# KiCad board tinyv pcb.kicad_pcb
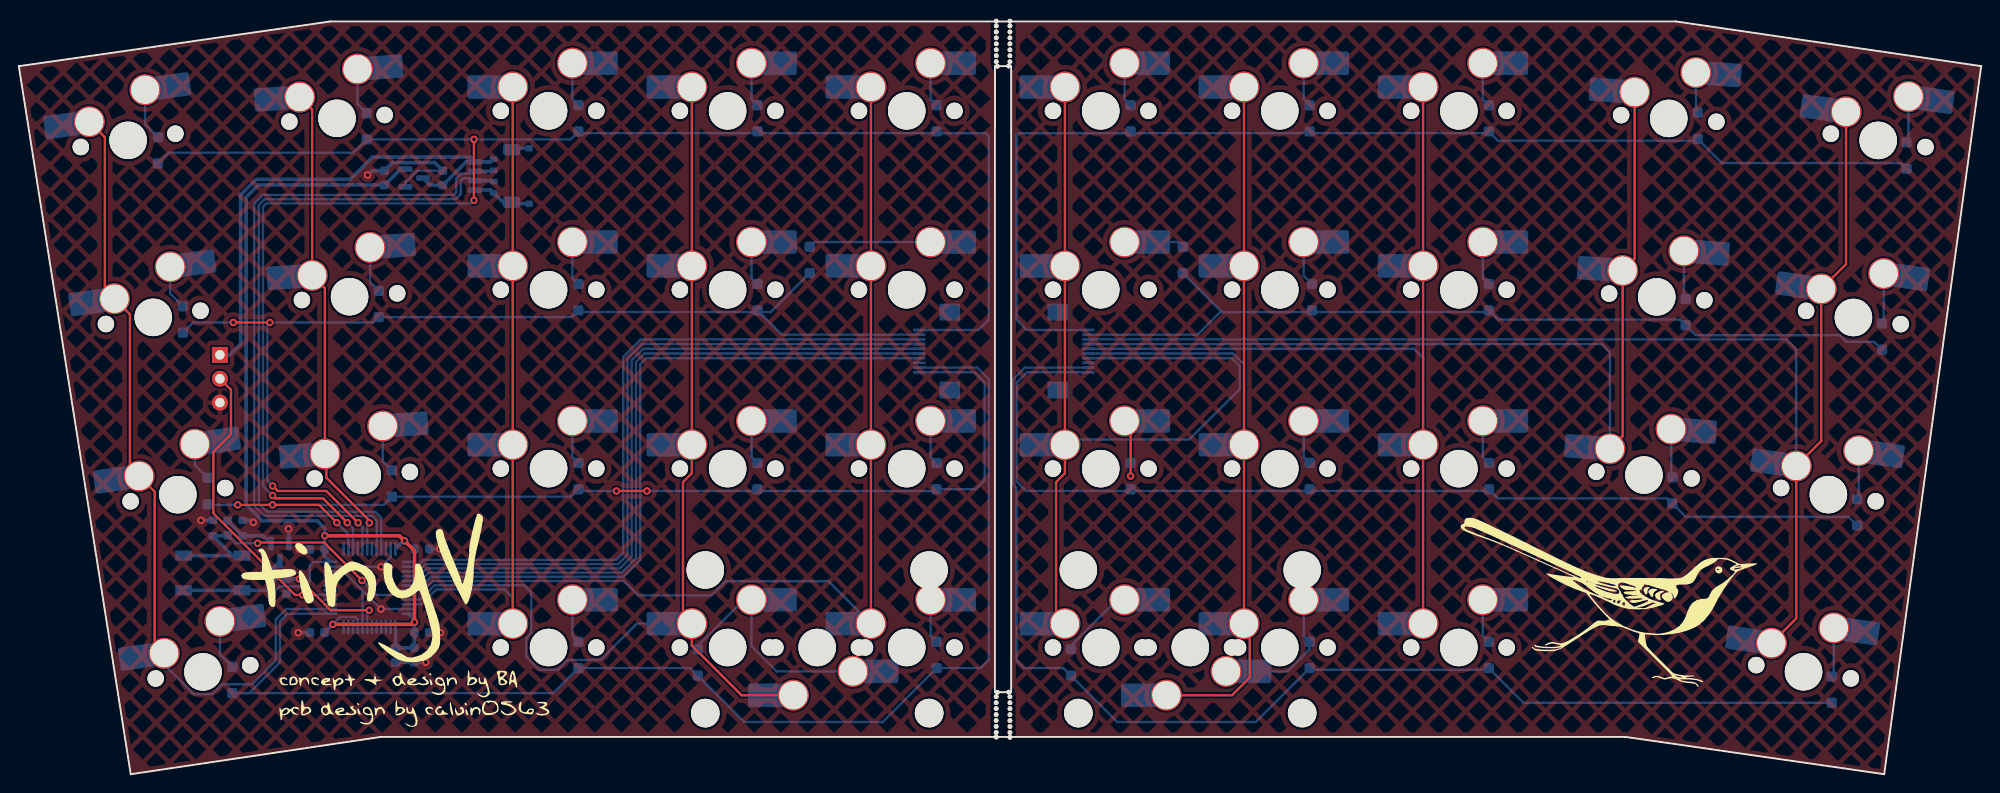
[diagram p0: board, top side]
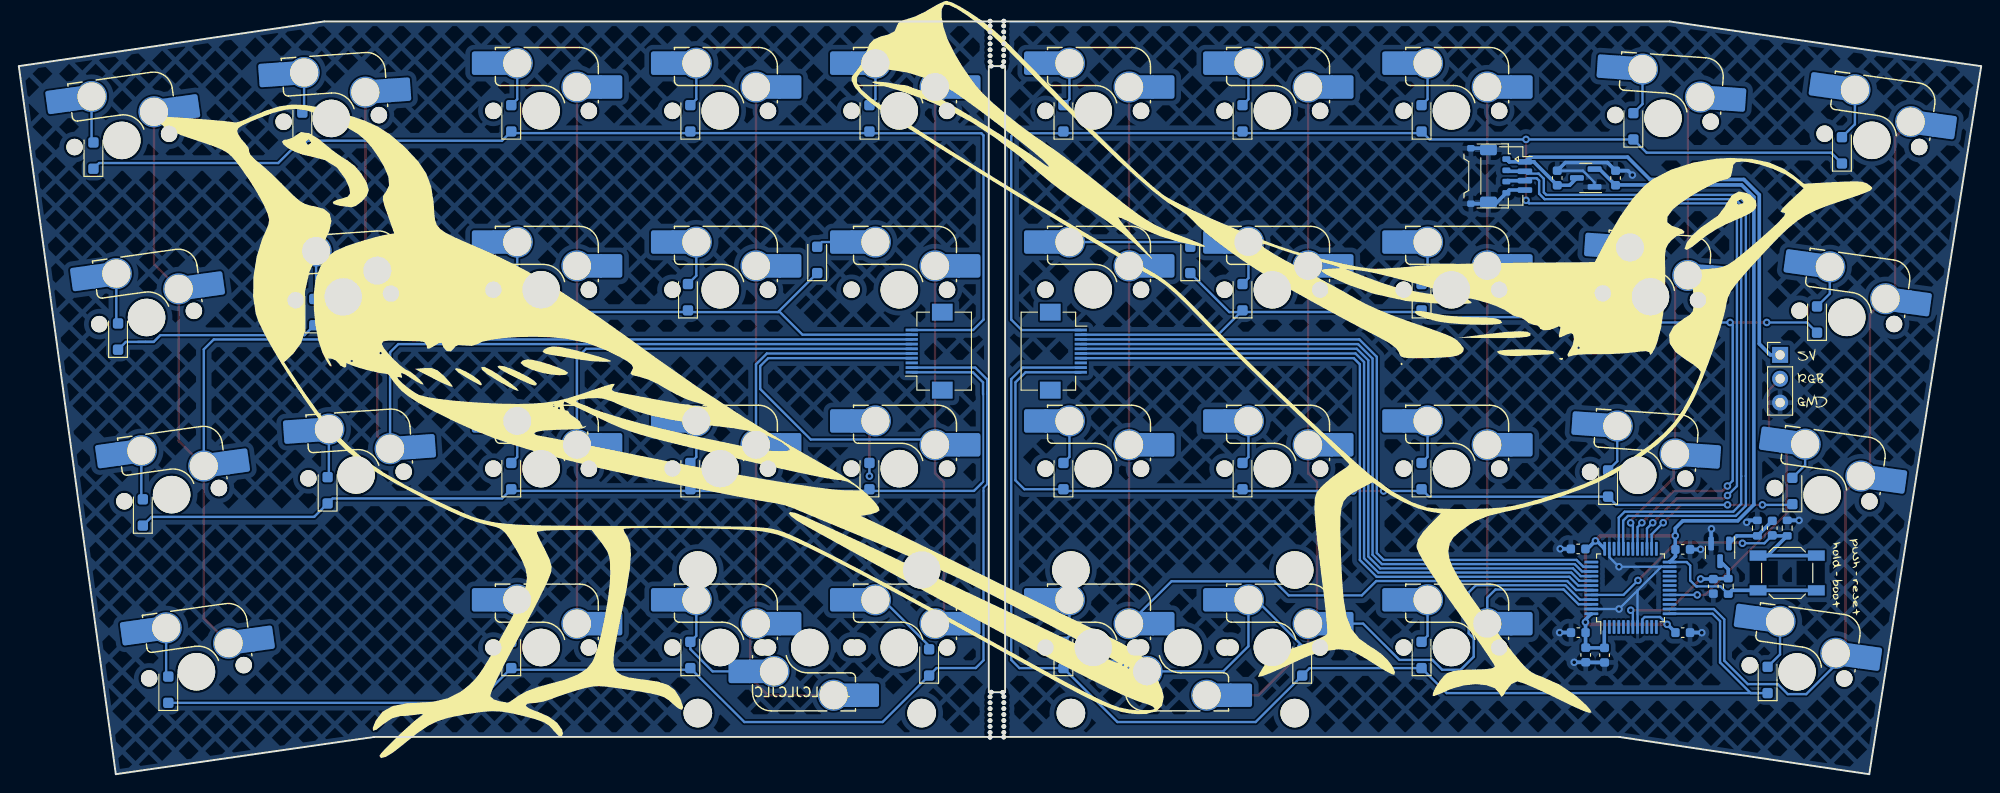
[diagram p1: board, bottom side, seen from below]

Outline 208.76 x 80.17 mm; copper layers: Top, Bottom. Coordinates in mm from the lower left corner of the outline.
Outline path: 0,75.41 11.91,0 38.48,3.97 103.84,3.97 105.57,3.97 170.93,3.97 198.44,0 208.76,75.41 176.26,80.17 103.84,80.17 33.15,80.17 0,75.41 ; 103.84,8.73 105.57,8.73 105.57,75.41 103.84,75.41 103.84,8.73
Stack: Top 0.035mm / dielectric 1.51mm FR4 er 4.5 / Bottom 0.035mm

## Placement (name value [footprint] x y rotation side)
C1  1uF  [C_0603_1608Metric]  45.1 63.5 90 bottom
C2  1uF  [C_0603_1608Metric]  38.89 63.5 90 bottom
C3  100nF  [C_0603_1608Metric]  42.88 23.99 0 bottom
C4  100nF  [C_0603_1608Metric]  42.86 15.08 0 bottom
C5  100nF  [C_0603_1608Metric]  31.75 15.08 180 bottom
C7  4.7uF  [C_0603_1608Metric]  22.22 26.21 90 bottom
C8  1uF  [C_0603_1608Metric]  28.5 20.01 90 bottom
C9  100nF  [C_0603_1608Metric]  31.75 23.94 180 bottom
C10  100nF  [C_0603_1608Metric]  40.07 12.68 270 bottom
C11  10uF  [C_0603_1608Metric]  42.07 12.7 270 bottom
D1  D_Small  [D_SOD-123F]  14.82 66.44 90 bottom
D2  D_Small  [D_SOD-123F]  37 69 90 bottom
D3  D_Small  [D_SOD-123F]  59.53 69.85 90 bottom
D4  D_Small  [D_SOD-123F]  78.58 69.85 90 bottom
D5  D_Small  [D_SOD-123F]  97.63 69.85 90 bottom
D6  D_Small  [D_SOD-123F]  118.27 69.85 90 bottom
D7  D_Small  [D_SOD-123F]  137.32 69.85 90 bottom
D8  D_Small  [D_SOD-123F]  156.37 69.85 90 bottom
D9  D_Small  [D_SOD-123F]  178.59 69.06 90 bottom
D10  D_Small  [D_SOD-123F]  200.82 65.88 90 bottom
D11  D_Small  [D_SOD-123F]  17.46 48.42 90 bottom
D12  D_Small  [D_SOD-123F]  38.29 50.08 90 bottom
D13  D_Small  [D_SOD-123F]  59.53 50.8 90 bottom
D14  D_Small  [D_SOD-123F]  78.58 50.8 90 bottom
D15  D_Small  [D_SOD-123F]  84.14 54.77 90 bottom
D16  D_Small  [D_SOD-123F]  123.83 54.77 90 bottom
D17  D_Small  [D_SOD-123F]  137.57 50.8 90 bottom
D18  D_Small  [D_SOD-123F]  156.37 50.8 90 bottom
D19  D_Small  [D_SOD-123F]  177.32 49.21 90 bottom
D20  D_Small  [D_SOD-123F]  198.2 46.61 90 bottom
D21  D_Small  [D_SOD-123F]  20.09 30.16 90 bottom
D22  D_Small  [D_SOD-123F]  39.69 30.96 90 bottom
D23  D_Small  [D_SOD-123F]  59.53 31.75 90 bottom
D24  D_Small  [D_SOD-123F]  78.58 31.75 90 bottom
D25  D_Small  [D_SOD-123F]  97.63 31.75 90 bottom
D26  D_Small  [D_SOD-123F]  118.27 31.75 90 bottom
D27  D_Small  [D_SOD-123F]  137.32 31.75 90 bottom
D28  D_Small  [D_SOD-123F]  156.37 31.75 90 bottom
D29  D_Small  [D_SOD-123F]  175.9 30.24 90 bottom
D30  D_Small  [D_SOD-123F]  195.56 27.87 90 bottom
D31  D_Small  [D_SOD-123F]  22.72 10.04 90 bottom
D33  D_Small  [D_SOD-123F]  59.53 12.7 90 bottom
D34  D_Small  [D_SOD-123F]  72.23 11.91 90 bottom
D35  D_Small  [D_SOD-123F]  97.63 12.7 90 bottom
D36  D_Small  [D_SOD-123F]  111.92 11.91 90 bottom
D37  D_Small  [D_SOD-123F]  137.32 12.7 90 bottom
D38  D_Small  [D_SOD-123F]  156.37 12.7 90 bottom
D40  D_Small  [D_SOD-123F]  192.85 9 90 bottom
G***  -  [LOGO]  35.33 20.23 0 top
G***#2  -  [LOGO]  40.12 8.37 0 top
G***#3  -  [LOGO]  169.86 18.26 0 top
G***#4  -  [LOGO]  68.08 41.55 180 bottom
G***#5  -  [LOGO]  137.47 36.89 180 bottom
G***#6  -  [LOGO]  17.98 42.11 180 bottom
G***#7  -  [LOGO]  14.29 21.43 270 bottom
J1  JST SH  [JST_SH_SM04B-SRSS-TB_1x04-1MP_P1.00mm_Horizontal]  50.54 63.71 270 bottom
J2  Pico EZmate  [Molex_Pico-EZmate_78171-0004_1x04-1MP_P1.20mm_Vertical]  52.39 63.71 270 bottom
J3  Conn_01x03_Socket  [PinHeader_1x03_P2.54mm_Vertical]  21.39 44.65 180 bottom
J4  Conn_01x10_Socket  [Hirose_FH12-10S-0.5SH_1x10-1MP_P0.50mm_Horizontal]  97.63 45.06 270 bottom
J7  Conn_01x10_Socket  [Hirose_FH12-10S-0.5SH_1x10-1MP_P0.50mm_Horizontal]  111.92 45.06 90 bottom
MX1  MX_SW_HS  [SW_MX_HS_1u]  11.63 67.51 188 bottom
MX2  MX_SW_HS  [SW_MX_HS_1u]  33.85 69.85 184 bottom
MX3  MX_SW_HS  [SW_MX_HS_1u]  56.36 70.64 180 bottom
MX4  MX_SW_HS  [SW_MX_HS_1u]  75.41 70.64 180 bottom
MX5  MX_SW_HS  [SW_MX_HS_1u]  94.46 70.64 180 bottom
MX6  MX_SW_HS  [SW_MX_HS_1u]  115.09 70.64 180 bottom
MX7  MX_SW_HS  [SW_MX_HS_1u]  134.14 70.64 180 bottom
MX8  MX_SW_HS  [SW_MX_HS_1u]  153.19 70.64 180 bottom
MX9  MX_SW_HS  [SW_MX_HS_1u]  175.52 69.84 176 bottom
MX10  MX_SW_HS  [SW_MX_HS_1u]  197.8 67.5 172 bottom
MX11  MX_SW_HS  [SW_MX_HS_1u]  14.3 48.65 188 bottom
MX12  MX_SW_HS  [SW_MX_HS_1u]  35.19 50.86 184 bottom
MX13  MX_SW_HS  [SW_MX_HS_1u]  56.36 51.59 180 bottom
MX14  MX_SW_HS  [SW_MX_HS_1u]  75.41 51.59 180 bottom
MX15  MX_SW_HS  [SW_MX_HS_1u]  94.46 51.59 180 bottom
MX16  MX_SW_HS  [SW_MX_HS_1u]  115.09 51.59 180 bottom
MX17  MX_SW_HS  [SW_MX_HS_1u]  134.14 51.59 180 bottom
MX18  MX_SW_HS  [SW_MX_HS_1u]  153.19 51.59 180 bottom
MX19  MX_SW_HS  [SW_MX_HS_1u]  174.24 50.83 176 bottom
MX20  MX_SW_HS  [SW_MX_HS_1u]  195.16 48.64 172 bottom
MX21  MX_SW_HS  [SW_MX_HS_1u]  16.92 29.77 188 bottom
MX22  MX_SW_HS  [SW_MX_HS_1u]  36.54 31.84 184 bottom
MX23  MX_SW_HS  [SW_MX_HS_1u]  56.36 32.54 180 bottom
MX24  MX_SW_HS  [SW_MX_HS_1u]  75.41 32.54 180 bottom
MX25  MX_SW_HS  [SW_MX_HS_1u]  94.46 32.54 180 bottom
MX26  MX_SW_HS  [SW_MX_HS_1u]  115.09 32.54 180 bottom
MX27  MX_SW_HS  [SW_MX_HS_1u]  134.14 32.54 180 bottom
MX28  MX_SW_HS  [SW_MX_HS_1u]  153.19 32.54 180 bottom
MX29  MX_SW_HS  [SW_MX_HS_1u]  172.88 31.86 176 bottom
MX30  MX_SW_HS  [SW_MX_HS_1u]  192.5 29.78 172 bottom
MX31  MX_SW_HS  [SW_MX_HS_1u]  19.59 10.9 188 bottom
MX32  MX_SW_HS  [SW_MX_HS_1u]  84.93 13.49 0 bottom
MX33  MX_SW_HS  [SW_MX_HS_1u]  56.36 13.49 180 bottom
MX34  MX_SW_HS  [SW_MX_HS_1u]  75.41 13.49 180 bottom
MX35  MX_SW_HS  [SW_MX_HS_1u]  94.46 13.49 180 bottom
MX36  MX_SW_HS  [SW_MX_HS_1u]  115.09 13.49 180 bottom
MX37  MX_SW_HS  [SW_MX_HS_1u]  134.14 13.49 180 bottom
MX38  MX_SW_HS  [SW_MX_HS_1u]  153.19 13.49 180 bottom
MX39  MX_SW_HS  [SW_MX_HS_1u]  124.62 13.49 0 bottom
MX40  MX_SW_HS  [SW_MX_HS_1u]  189.86 10.91 172 bottom
Q1  2N7002  [SOT-23]  27.78 23.63 270 bottom
R1  10k  [R_0603_1608Metric]  26.91 20.01 90 bottom
R2  10k  [R_0603_1608Metric]  20.64 26.21 90 bottom
R3  100k  [R_0603_1608Metric]  23.81 26.21 90 bottom
REF**  mousebites 1mm  [mousebites_1mm]  105.68 77.78 180 top
REF**#2  mousebites 1mm  [mousebites_1mm]  103.72 6.35 0 top
REF**#3  mousebites 1mm  [mousebites_1mm#2]  103.73 77.79 0 top
REF**#4  mousebites 1mm  [mousebites_1mm#3]  105.69 6.35 180 top
S1  MX_stab  [STAB_MX_2u]  84.93 13.49 180 top
S2  MX_stab  [STAB_MX_2u]  124.62 13.49 180 top
SW1  RST  [SW_SPST_SKQG_WithoutStem]  20.64 21.43 180 bottom
U1  STM32F072C8Tx  [LQFP-48_7x7mm_P0.5mm]  37.31 19.84 90 bottom
U2  MCP1700x-330xxTT  [SOT-23]  42.07 63.5 0 bottom

## Library data of the parts
C1 C2 = -: Description: Unpolarized capacitor; LCSC Part Number: C28323
C3-C5 = -: Description: Unpolarized capacitor; LCSC Part Number: C14663
C7-C11 = -: Description: Unpolarized capacitor
D1-D31 D33-D38 D40 = -: Description: Diode, small symbol; Sim.Device: D; Sim.Pins: 1=K 2=A
J1 J2 = -: Description: Generic connectable mounting pin connector, single row, 01x04, script generated (kicad-library-utils/schlib/autogen/connector/)
J3 = -: Description: Generic connector, single row, 01x03, script generated
J4 J7 = -: Description: Generic connector, single row, 01x10, script generated
MX1-MX40 = -: Description: Push button switch, normally open, two pins, 45° tilted
Q1 = -: Description: 0.115A Id, 60V Vds, N-Channel MOSFET, SOT-23
R1-R3 = -: Description: Resistor, small symbol
S1 S2 = -: Description: Cherry MX-style stabilizer
SW1 = -: Description: Push button switch, generic, two pins
U1 = -: Description: ARM Cortex-M0 MCU, 64KB flash, 16KB RAM, 48MHz, 2-3.6V, 37 GPIO, LQFP-48; LCSC Part Number: C80488
U2 = -: Description: 250mA Low Quiscent Current LDO, 3.3V output, SOT-23; LCSC Part Number: C39051

## Footprints (pads in the part's own frame, mm; a bottom-side part is the same pattern mirrored in y, then rotated)
C_0603_1608Metric
  rrect 0.9x0.95 smd: 1(-0.775,0) 2(0.775,0)
D_SOD-123F
  rrect 1.1x1.1 smd: 1(-1.4,0) 2(1.4,0)
Hirose_FH12-10S-0.5SH_1x10-1MP_P0.50mm_Horizontal
  rect 0.3x1.3 smd: 1(-2.25,1.85) 2(-1.75,1.85) 3(-1.25,1.85) 4(-0.75,1.85) 5(-0.25,1.85) 6(0.25,1.85) 7(0.75,1.85) 8(1.25,1.85) 9(1.75,1.85) 10(2.25,1.85)
  rect 1.8x2.2 smd: MP(-4.15,-1.4) MP(4.15,-1.4)
JST_SH_SM04B-SRSS-TB_1x04-1MP_P1.00mm_Horizontal
  rrect 0.6x1.55 smd: 1(-1.5,2) 2(-0.5,2) 3(0.5,2) 4(1.5,2)
  rrect 1.2x1.8 smd: MP(-2.8,-1.875) MP(2.8,-1.875)
LQFP-48_7x7mm_P0.5mm
  rrect 1.475x0.3 smd: 1(-4.162,2.75) 2(-4.162,2.25) 3(-4.162,1.75) 4(-4.162,1.25) 5(-4.162,0.75) 6(-4.162,0.25) 7(-4.162,-0.25) 8(-4.162,-0.75) 9(-4.162,-1.25) 10(-4.162,-1.75) 11(-4.162,-2.25) 12(-4.162,-2.75) 25(4.162,-2.75) 26(4.162,-2.25) 27(4.162,-1.75) 28(4.162,-1.25) 29(4.162,-0.75) 30(4.162,-0.25) 31(4.162,0.25) 32(4.162,0.75) 33(4.162,1.25) 34(4.162,1.75) 35(4.162,2.25) 36(4.162,2.75)
  rrect 0.3x1.475 smd: 13(-2.75,-4.162) 14(-2.25,-4.162) 15(-1.75,-4.162) 16(-1.25,-4.162) 17(-0.75,-4.162) 18(-0.25,-4.162) 19(0.25,-4.162) 20(0.75,-4.162) 21(1.25,-4.162) 22(1.75,-4.162) 23(2.25,-4.162) 24(2.75,-4.162) 37(2.75,4.162) 38(2.25,4.162) 39(1.75,4.162) 40(1.25,4.162) 41(0.75,4.162) 42(0.25,4.162) 43(-0.25,4.162) 44(-0.75,4.162) 45(-1.25,4.162) 46(-1.75,4.162) 47(-2.25,4.162) 48(-2.75,4.162)
Molex_Pico-EZmate_78171-0004_1x04-1MP_P1.20mm_Vertical
  rrect 0.6x0.85 smd: 1(-1.8,1.875) 2(-0.6,1.875) 3(0.6,1.875) 4(1.8,1.875)
  rrect 0.7x0.8 smd: MP(-2.95,-1.9) MP(2.95,-1.9)
mousebites_1mm
  round 0.5 hole 0.75 unplated: (0.249,1.266) (0.25,1.905) (0.25,0.635) (0.25,0) (0.25,-0.635) (0.25,-1.267) (0.25,-1.905) (0.252,-2.413) (0.375,2.364)
mousebites_1mm#2
  round 0.5 hole 0.75 unplated: (0.246,2.413) (0.249,1.266) (0.25,1.905) (0.25,0.635) (0.25,0) (0.25,-0.635) (0.25,-1.267) (0.25,-1.905) (0.37,-2.392)
mousebites_1mm#3
  round 0.5 hole 0.75 unplated: (0.249,1.266) (0.25,1.905) (0.25,0.635) (0.25,0) (0.25,-0.635) (0.25,-1.267) (0.25,-1.905) (0.253,2.409) (0.379,-2.392)
PinHeader_1x03_P2.54mm_Vertical
  rect 1.7x1.7 hole 1: 1(0,0)
  oval 1.7x1.7 hole 1: 2(0,-2.54) 3(0,-5.08)
R_0603_1608Metric
  rrect 0.8x0.95 smd: 1(-0.825,0) 2(0.825,0)
SOT-23
  rrect 1.475x0.6 smd: 1(-0.938,0.95) 2(-0.938,-0.95) 3(0.938,0)
STAB_MX_2u
  round 3.048 hole 3.048 unplated: (-11.906,6.985) (11.906,6.985)
  round 3.988 hole 3.988 unplated: (-11.906,-8.255) (11.906,-8.255)
SW_MX_HS_1u
  round 1.75 hole 1.75 unplated: (-5.08,0) (5.08,0)
  round 3.988 hole 3.988 unplated: (0,0)
  round 3.3 hole 3: 1(3.81,2.54) 2(-2.54,5.08)
  rect 1.65x2.5 smd: 1(5.635,2.54) 2(-4.34,5.08)
  rrect 2.55x2.5 smd: 1(7.36,2.54) 2(-6.09,5.08)
SW_SPST_SKQG_WithoutStem
  rect 1.8x1.1 smd: 1(-3.1,1.85) 1(3.1,1.85) 2(-3.1,-1.85) 2(3.1,-1.85)

## Nets
+3V3: C2.1 C3.1 C4.1 C5.1 C9.1 C10.1 C11.1 R1.1 SW1.2 U1.1 U1.9 U1.24 U1.36 U1.48 U2.2
+5V: C1.1 J1.1 J2.1 J3.1 U2.3
GND: C1.2 C2.2 C3.2 C4.2 C5.2 C8.1 C9.2 C10.2 C11.2 J1.4 J1.MP J2.4 J2.MP J3.3 Q1.2 R2.2 R3.2 U1.8 U1.23 U1.35 U1.47 U2.1
BOOT0: C7.1 R2.1 SW1.1 U1.44
COL0: MX1.1 MX11.1 MX21.1 MX31.1 U1.14
COL1: MX2.1 MX12.1 MX22.1 U1.30
COL2: MX3.1 MX13.1 MX23.1 MX33.1 U1.46
COL3: MX4.1 MX14.1 MX24.1 MX32.2 MX34.1 U1.45
COL4: MX5.1 MX15.1 MX25.1 MX35.1 U1.43
COL5: J4.7 J7.4 MX6.1 MX16.1 MX26.1 MX36.1 U1.42
COL6: J4.6 J7.5 MX7.1 MX17.1 MX27.1 MX37.1 MX39.2 U1.41
COL7: J4.5 J7.6 MX8.1 MX18.1 MX28.1 MX38.1 U1.40
COL8: J4.4 J7.7 MX9.1 MX19.1 MX29.1 U1.39
COL9: J4.3 J7.8 MX10.1 MX20.1 MX30.1 MX40.1 U1.38
D_N: J1.2 J2.2 U1.32
D_P: J1.3 J2.3 U1.33
NRST: C8.2 Q1.3 R1.2 U1.7
ROW0: D1.1 D2.1 D3.1 D4.1 D5.1 D6.1 D7.1 D8.1 D9.1 D10.1 J4.1 J7.10 U1.27
ROW1: D11.1 D12.1 D13.1 D14.1 D15.1 D16.1 D17.1 D18.1 D19.1 D20.1 J4.2 J7.9 U1.29
ROW2: D21.1 D22.1 D23.1 D24.1 D25.1 D26.1 D27.1 D28.1 D29.1 D30.1 J4.10 J7.1 U1.26
ROW3: D31.1 D33.1 D34.1 D35.1 D36.1 D37.1 D38.1 D40.1 J4.9 J7.2 U1.13
underglow: J3.2 U1.17
Net-(D1-A): D1.2 MX1.2
Net-(D2-A): D2.2 MX2.2
Net-(D3-A): D3.2 MX3.2
Net-(D4-A): D4.2 MX4.2
Net-(D5-A): D5.2 MX5.2
Net-(D6-A): D6.2 MX6.2
Net-(D7-A): D7.2 MX7.2
Net-(D8-A): D8.2 MX8.2
Net-(D9-A): D9.2 MX9.2
Net-(D10-A): D10.2 MX10.2
Net-(D11-A): D11.2 MX11.2
Net-(D12-A): D12.2 MX12.2
Net-(D13-A): D13.2 MX13.2
Net-(D14-A): D14.2 MX14.2
Net-(D15-A): D15.2 MX15.2
Net-(D16-A): D16.2 MX16.2
Net-(D17-A): D17.2 MX17.2
Net-(D18-A): D18.2 MX18.2
Net-(D19-A): D19.2 MX19.2
Net-(D20-A): D20.2 MX20.2
Net-(D21-A): D21.2 MX21.2
Net-(D22-A): D22.2 MX22.2
Net-(D23-A): D23.2 MX23.2
Net-(D24-A): D24.2 MX24.2
Net-(D25-A): D25.2 MX25.2
Net-(D26-A): D26.2 MX26.2
Net-(D27-A): D27.2 MX27.2
Net-(D28-A): D28.2 MX28.2
Net-(D29-A): D29.2 MX29.2
Net-(D30-A): D30.2 MX30.2
Net-(D31-A): D31.2 MX31.2
Net-(D33-A): D33.2 MX33.2
Net-(D34-A): D34.2 MX32.1 MX34.2
Net-(D35-A): D35.2 MX35.2
Net-(D36-A): D36.2 MX36.2
Net-(D37-A): D37.2 MX37.2 MX39.1
Net-(D38-A): D38.2 MX38.2
Net-(D40-A): D40.2 MX40.2
Net-(Q1-G): C7.2 Q1.1 R3.1

Pads without a net: J4 8 MP; J7 3 MP; U1 2 3 4 5 6 10 11 12 15 16 18 19 20 21 22 25 28 31 34 37

## Via types
v1: diameter 0.8, hole 0.4, Top to Bottom, 35 vias

## Routing (per net, layer and track width the routed paths; a pad name or vN(x,y) marks a point on that pad's centre or on a via; arc(x,y) is an arc through that point)
+3V3: length 129.2
  Top w0.381: v1(32.54,25.4) 40.48,25.4 ; 40.48,25.4 41.27,24.61 ; 40.48,25.4 40.49,25.4 v1(41.04,24.85) 42.1,23.79 v1(42.1,16.19) 41.86,15.96 v1(33.41,15.96)
  Bottom w0.25: U1.1 40.06,13.47 C10.1 ; U1.9 36.06,16.48 35.8,16.74 34.17,16.74 32.51,15.08 ; R1.1 27.73,20.01 30.24,20.01 30.24,20.01 30.33,20.01 30.96,20.64 30.96,22.22 31.33,22.59 U1.24
  Bottom w0.381: 33.14,22.63 33.1,22.63 32.52,23.21 C9.1 32.54,23.96 v1(32.54,25.4) 32.54,26.19 31.75,26.99 25.9,26.99 24.19,28.71 24.19,61.45 25.49,62.76 38.86,62.76 C2.1 40.62,64.45 U2.2 ; v1(33.41,15.96) 33.38,15.96 32.51,15.08 ; 40.1,15.21 40.1,13.48 C10.1 42.05,13.45 C11.1 42.09,13.49 C4.1 42.09,16.47 41.51,17.05 41.47,17.05 ; C3.1 41.9,23.99 v1(41.04,24.85) 40.9,24.85 40.1,24.05 40.1,24.01 ; R1.1 26.51,19.58 17.46,19.58
+5V: length 54.4
  Bottom w0.381: J2.1 50.21,65.21 J1.1 ; J1.1 48.03,65.72 37.62,65.72 35.23,63.34 25.25,63.34 23.6,61.7 23.6,45.83 22.43,44.65 J3.1 ; J1.1 47.56,65.21 47.56,65.18 C1.1 43.78,62.72 U2.3
GND: length 55.1
  Bottom w0.25: 36.56,19.57 U1.8 ; 36.56,19.57 v1(38.53,17.59) U1.47 ; 36.56,19.57 34.03,22.09 ; U1.35 39.56,23.12 v1(38.53,22.09) 34.03,22.09 ; C1.2 42.37,64.27 41.13,63.03 U2.1 ; 34.03,22.09 U1.23
  Bottom w0.381: J1.4 50.21,62.21 J2.4 51.66,60.76 J2.MP ; v1(29.85,23.95) 29.87,23.94 C9.2 ; Q1.2 28.73,26.1 v1(28.69,26.13) ; J2.MP 52.57,66.66 J1.MP ; 30.96,15.08 29.73,15.08 29.73,15.07 v1(29.72,15.07) ; v1(43.3,11.92) 43.29,11.92 C11.2 42.05,11.9 C10.2 ; v1(44.78,24) 44.77,23.99 C3.2 ; v1(24.95,26.82) 24.74,27.04 R3.2 ; R2.2 19.38,27.04 v1(19.38,27.03) ; C4.2 v1(44.85,15.08) ; C1.2 44.23,65.14 39.76,65.14 C2.2 37.58,64.27 v1(37.11,63.81)
BOOT0: length 33.7
  Top w0.25: v1(36.51,20.64) 32.47,24.68 25.48,24.68 v1(25.4,24.6)
  Bottom w0.25: v1(36.51,20.64) 38.06,19.09 U1.44 ; v1(25.4,24.6) 23.06,24.6 C7.1
  Bottom w0.381: C7.1 22.17,25.39 R2.1 22.74,23.28 SW1.1 ; 23.66,23.28 17.46,23.28
COL0: length 86.4
  Top w0.25: MX31.1 14.44,13.9 14.44,30.1 MX21.1 11.82,32.72 11.82,48.99 MX11.1 9.15,51.66 9.15,67.84 MX1.1
  Bottom w0.25: MX31.1 15.47,11.67 18.61,8.53 20.57,8.53 21.64,9.59 24.83,9.59 27.33,12.09 27.33,16.49 28.44,17.59 U1.14
COL1: length 51.3
  Top w0.25: v1(37.29,26.77) 37.29,27 32.72,31.57 32.72,33.94 MX22.1 32.56,51.77 MX12.1 31.21,70.78 MX2.1
  Bottom w0.25: U1.30 37.06,26.53 v1(37.29,26.77)
COL2: length 72
  Top w0.25: MX33.1 MX3.1
  Bottom w0.25: U1.46 42.84,18.09 44.42,19.67 51.67,19.67 52.55,18.8 MX33.1
COL3: length 114.5
  Top w0.25: MX32.2 76.88,8.41 71.6,13.7 MX34.1 70.66,16.97 70.66,31.11 71.6,32.05 MX4.1
  Bottom w0.25: MX34.1 65.74,16.03 61.89,12.17 58.39,12.17 57.34,11.12 55.38,11.12 53.99,12.51 53.99,14.47 54.52,15.01 54.52,19.36 53.76,20.12 44.23,20.12 42.7,18.59 U1.45
COL4: length 110
  Top w0.25: MX5.1 MX35.1
  Bottom w0.25: MX35.1 86.13,20.55 75.18,20.55 73.68,19.05 65.88,19.05 64.36,20.57 44.04,20.57 43.09,19.62 41.27,19.62
COL5: length 174.4
  Top w0.25: MX36.1 110.34,16.97 110.34,31.11 111.28,32.05 MX6.1
  Bottom w0.25: U1.42 42.87,20.09 43.8,21.02 64.31,21.02 66.1,22.81 66.1,43.66 66.75,44.31 J4.7 ; J7.4 129.05,44.31 129.88,43.47 129.88,41.02 124.51,35.65 111.85,35.65 MX26.1
COL6: length 175
  Top w0.25: MX39.2 129.06,8.41 130.95,10.3 130.95,15.42 MX37.1 MX7.1
  Bottom w0.25: U1.41 42.73,20.59 43.61,21.47 64.12,21.47 65.65,23 65.65,43.9 66.56,44.81 J4.6 ; J7.5 129.18,44.81 130.33,43.66 MX27.1
COL7: length 179
  Top w0.25: MX8.1 MX38.1
  Bottom w0.25: J7.6 148.41,45.31 149.38,44.34 MX28.1 ; U1.40 42.6,21.09 43.43,21.92 63.94,21.92 65.2,23.19 65.2,44.08 66.42,45.31 J4.5
COL8: length 181.8
  Top w0.25: MX9.1 171.89,54.91 MX19.1 170.62,36.02 MX29.1
  Bottom w0.25: MX29.1 169.26,44.93 168.38,45.81 J7.7 ; U1.39 42.46,21.59 43.24,22.37 63.75,22.37 64.75,23.37 64.75,44.27 66.29,45.81 J4.4
COL9: length 224.6
  Top w0.25: MX10.1 194.38,54.32 MX20.1 191.74,35.49 MX30.1 189.08,16.6 MX40.1
  Bottom w0.25: J4.3 66.15,46.31 64.29,44.45 64.29,23.55 63.56,22.82 43.06,22.82 42.33,22.09 U1.38 ; MX30.1 189.08,45.25 188.02,46.31 J7.8
D_N: length 76.7
  Bottom w0.25: 38.08,24 38.08,27.01 37.58,27.51 26.11,27.51 25.03,28.59 25.03,31.75 25.03,60.75 25.97,61.69 46.26,61.69 46.53,61.96 46.53,63.41 47.08,63.96 48.29,63.96 J1.2
  Bottom w0.381: J1.2 50.41,64.21 J2.2
D_P: length 75.9
  Bottom w0.25: J1.3 48.29,63.46 47.28,63.46 47.03,63.2 47.03,61.83 46.44,61.24 26.16,61.24 25.53,60.62 25.53,31.75 25.53,28.79 26.37,27.96 37.92,27.96 38.56,27.32 U1.33
  Bottom w0.381: J1.3 50.41,63.21 J2.3
NRST: length 15.9
  Top w0.25: v1(37.28,17.46) 33.18,17.46 v1(29.85,20.79)
  Bottom w0.25: U1.7 37.06,17.24 v1(37.28,17.46)
  Bottom w0.381: Q1.3 26.91,21.82 R1.2 28.45,20.83 C8.2 28.51,20.79 v1(29.85,20.79)
ROW0: length 314.6
  Top w0.25: v1(26.99,29.68) 27.3,29.37 32.36,29.37 34.94,26.79 v1(34.94,26.78) ; v1(48.42,67.6) v1(48.42,61.12)
  Bottom w0.25: J7.10 107.24,47.31 106.13,48.41 106.13,68.03 106.36,68.26 118.08,68.26 D6.1 118.44,68.27 156.19,68.27 D8.1 157.35,67.47 178.41,67.47 D9.1 181.16,65.09 200.21,65.09 D10.1 ; D1.1 15.96,66.19 35.59,66.19 D2.1 v1(48.42,67.6) 58.68,67.6 D3.1 59.71,68.27 97.46,68.27 D5.1 97.82,68.26 102.88,68.26 103.19,67.95 103.19,48.42 102.08,47.31 J4.1 ; v1(26.99,29.68) 25.98,30.68 25.98,47.62 25.98,60.43 26.35,60.79 48.09,60.79 v1(48.42,61.12) ; U1.27 35.56,26.17 v1(34.94,26.78)
ROW1: length 214.4
  Top w0.25: v1(36.1,26.78) 32.71,30.16 27.53,30.16 v1(27,30.69) ; v1(26.71,48.11) 26.71,48.11 23.39,48.11 23.39,48.11 v1(22.81,48.11)
  Bottom w0.25: 127.89,49.31 127.98,49.21 137.39,49.21 D17.1 137.75,49.22 156.19,49.22 D18.1 157.35,48.42 176.71,48.42 D19.1 178.37,46.76 193.7,46.76 194.41,46.04 196.06,46.04 ; 127.89,49.31 125.39,46.81 J7.9 ; 127.89,49.31 D16.1 ; D14.1 81.17,46.81 J4.2 ; D14.1 78.41,49.22 59.71,49.22 D13.1 ; D14.1 78.77,49.21 79.98,49.21 D15.1 ; 196.06,46.04 197.37,46.04 D20.1 ; 196.06,46.04 194.47,46.04 ; D13.1 59.72,49.21 ; D13.1 58.81,48.68 D12.1 37.71,48.11 v1(26.71,48.11) 26.43,47.83 26.43,31.26 v1(27,30.69) ; D11.1 18.55,48.11 22.81,48.11 v1(22.81,48.11) ; v1(36.1,26.78) 36.56,26.32 U1.29
ROW2: length 223.2
  Top w0.25: v1(33.83,26.78) 33.82,26.79 33.82,26.79 31.93,28.68 v1(26.99,28.68) v1(23.28,28.68) ; v1(63.57,30.16) 66.67,30.16
  Bottom w0.2: 106.36,30.96 106.16,31.16 106.16,40.51
  Bottom w0.25: 97.46,30.17 D25.1 ; D25.1 97.44,30.16 66.67,30.16 v1(66.82,30.16) ; D25.1 101.79,30.35 102.74,31.3 102.74,41.72 101.66,42.81 J4.10 ; D30.1 194.63,27.41 177.33,27.41 D29.1 175.37,29.37 157.35,29.37 D28.1 156.19,30.17 118.44,30.17 D26.1 118.09,30.17 107.14,30.17 106.36,30.96 ; J7.1 107.26,42.81 106.18,41.73 106.18,40.48 ; v1(26.99,28.68) 38.81,28.68 D22.1 58.74,29.56 D23.1 59.72,30.16 v1(63.57,30.16) ; v1(33.83,26.78) 35.06,25.55 U1.26 ; v1(23.28,28.68) 20.17,28.68
ROW3: length 272.2
  Bottom w0.2: 106.13,30.16 106.13,30.49 105.76,30.87 105.76,40.71
  Bottom w0.25: J7.2 107.01,43.31 105.73,42.03 105.73,40.51 ; D31.1 23.81,8.64 ; 23.81,8.64 24.51,8.64 27.78,11.91 27.78,16.3 28.58,17.09 U1.13 ; 23.81,8.64 56.87,8.64 D33.1 71.44,11.3 D34.1 77.18,5.56 91.89,5.56 D35.1 102.31,11.3 103.19,12.18 103.19,42.07 101.95,43.31 J4.9 ; D40.1 160.07,7.6 D38.1 156.19,11.12 137.49,11.12 D37.1 131.57,5.56 116.87,5.56 D36.1 111.12,11.31 106.96,11.31 106.13,12.13 106.13,30.16
underglow: length 31.6
  Top w0.25: v1(30.21,19.09) 29.38,19.09 20.7,27.78 20.7,34.33 22.57,36.2 22.57,40.94 J3.2
  Bottom w0.25: v1(30.21,19.09) 30.21,19.09 U1.17
Net-(D1-A): length 5.6
  Bottom w0.25: D1.2 13.43,69.22 MX1.2
Net-(D2-A): length 5.1
  Bottom w0.25: D2.2 36.03,71.37 MX2.2
Net-(D3-A): length 4.7
  Bottom w0.25: D3.2 58.9,71.88 MX3.2
Net-(D4-A): length 4.7
  Bottom w0.25: D4.2 77.95,71.88 77.95,75.72
Net-(D5-A): length 4.7
  Bottom w0.25: MX5.2 97,71.88 D5.2
Net-(D6-A): length 4.7
  Bottom w0.25: D6.2 117.63,71.88 MX6.2
Net-(D7-A): length 4.7
  Bottom w0.25: D7.2 136.68,71.88 MX7.2
Net-(D8-A): length 4.7
  Bottom w0.25: MX8.2 155.73,71.88 D8.2
Net-(D9-A): length 4.3
  Bottom w0.25: D9.2 178.41,70.64 MX9.2
Net-(D10-A): length 5
  Bottom w0.25: D10.2 201.02,67.48 MX10.2
Net-(D11-A): length 4.8
  Bottom w0.25: MX11.2 16.11,51.17 D11.2
Net-(D12-A): length 5
  Bottom w0.25: D12.2 37.37,52.4 MX12.2
Net-(D13-A): length 4.7
  Bottom w0.25: D13.2 58.9,52.83 MX13.2
Net-(D14-A): length 4.7
  Bottom w0.25: D14.2 77.95,52.83 77.95,56.67
Net-(D15-A): length 16.6
  Bottom w0.25: D15.2 84.64,56.67 MX15.2
Net-(D16-A): length 6.4
  Bottom w0.25: D16.2 123.32,56.67 MX16.2
Net-(D17-A): length 4.8
  Bottom w0.25: MX17.2 136.68,53.09 D17.2
Net-(D18-A): length 4.7
  Bottom w0.25: MX18.2 155.73,52.83 D18.2
Net-(D19-A): length 5.2
  Bottom w0.25: MX19.2 177.13,50.8 D19.2
Net-(D20-A): length 5.4
  Bottom w0.25: MX20.2 198.39,48.19 D20.2
Net-(D21-A): length 4.2
  Bottom w0.25: D21.2 18.73,32.92 MX21.2
Net-(D22-A): length 5.1
  Bottom w0.25: MX22.2 38.72,33.33 D22.2
Net-(D23-A): length 4.7
  Bottom w0.25: MX23.2 58.9,33.78 D23.2
Net-(D24-A): length 4.7
  Bottom w0.25: 77.95,37.62 77.95,33.78 D24.2
Net-(D25-A): length 4.7
  Bottom w0.25: D25.2 97,33.78 MX25.2
Net-(D26-A): length 7.5
  Top w0.25: MX26.2 118.27,36.99 v1(118.27,31.75)
  Bottom w0.25: v1(118.27,31.75) D26.2
Net-(D27-A): length 4.7
  Bottom w0.25: MX27.2 136.68,33.78 D27.2
Net-(D28-A): length 4.7
  Bottom w0.25: D28.2 155.73,33.78 MX28.2
Net-(D29-A): length 5.2
  Bottom w0.25: MX29.2 175.77,31.77 D29.2
Net-(D30-A): length 5.2
  Bottom w0.25: D30.2 195.72,29.43 MX30.2
Net-(D31-A): length 5.4
  Bottom w0.25: MX31.2 21.4,12.76 D31.2
Net-(D33-A): length 4.7
  Bottom w0.25: MX33.2 58.9,14.73 D33.2
Net-(D34-A): length 25
  Bottom w0.25: MX32.1 80.62,10.95 77.95,13.63 77.95,18.57 77.14,18.57 72.23,13.67 D34.2
Net-(D35-A): length 4.7
  Bottom w0.25: MX35.2 97,14.73 D35.2
Net-(D36-A): length 8.1
  Bottom w0.25: D36.2 111.92,13.67 116.82,18.57 MX36.2
Net-(D37-A): length 15.4
  Bottom w0.25: MX37.2 136.68,14.73 D37.2 137.32,13.32 134.95,10.95 MX39.1
Net-(D38-A): length 4.7
  Bottom w0.25: MX38.2 155.73,14.73 D38.2
Net-(D40-A): length 5.3
  Bottom w0.25: D40.2 193.08,10.63 MX40.2
Net-(Q1-G): length 5.6
  Bottom w0.381: Q1.1 26.01,25.39 R3.1 22.22,26.97 C7.2

## Copper pours and planes (outline as drawn; the poured copper is in the pictures)
GND on Top, Bottom: 105.57,84.14 217.49,83.34 217.49,-4.76 105.57,-3.97
GND on Top, Bottom: -7.94,84.14 103.98,83.34 103.98,-4.76 -7.94,-3.97

## Text on the board
B.Silkscreen: JLCJLCJLCJLC
